# Altium PCB BB.PcbDoc (part 2 of 5) (continued)
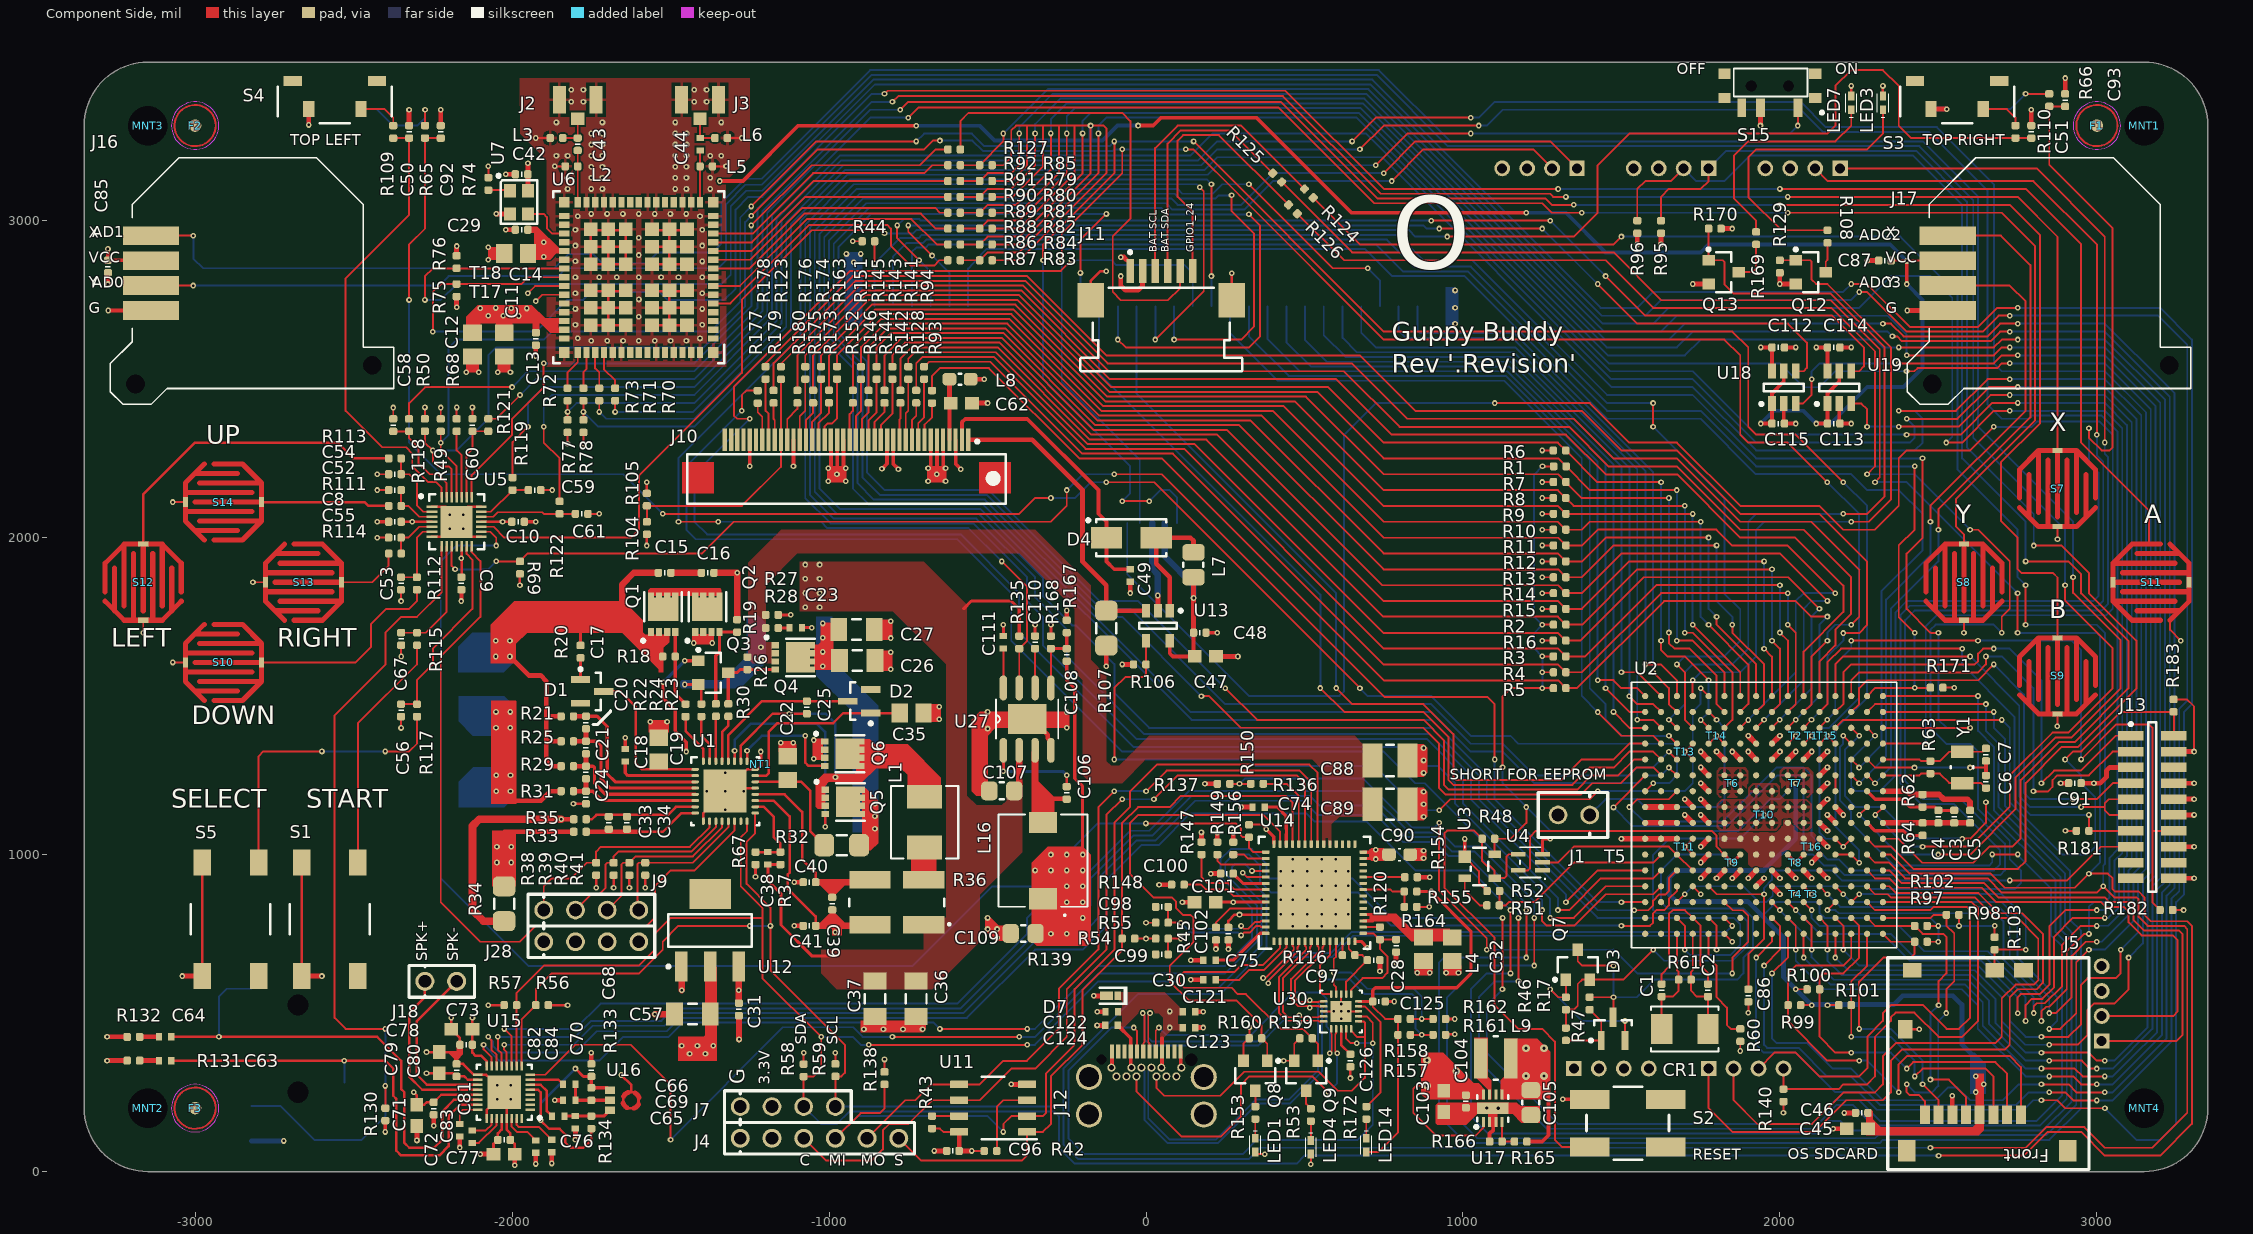
[diagram p0: Component Side view]
## Part data (continued)
L1: "2.2µH Shielded Molded Inductor 5A 37.7 mOhm Max", DC Resistance (DCR)="37.7 mOhm Max", Manufacturer="Vishay Dale", Manufacturer Part Number=IHLP2020BZER2R2M11, Operating Temperature="-55°C ~ 125°C", Package / Case=Nonstandard, Q @ Freq=-, Supplier Part Number 1=541-1220-1-ND, Tolerance=±20%, Category="Inductors, Coils, Chokes", ComponentLink1Description=http://www.vishay.com/docs/34261/ihlp2020bz11.pdf, ComponentLink1URL=http://www.vishay.com/docs/34261/ihlp2020bz11.pdf, Height - Seated (Max)="0.079\" (2.00mm)", Material - Core=-, Mounting Type="Surface Mount", Packaging="Cut Tape (CT)", Part Status=Active, Pricing 1="1=2.39, 10=2.208, 100=1.5456, 500=1.2512, 1000=1.1408 (USD)", Ratings=-, RoHS="RoHS Compliant", Shielding=Shielded, Size / Dimension="0.216\" L x 0.204\" W (5.49mm x 5.18mm)", Stock 1=9448, Supplier 1=Digi-Key, Supplier Device Package=-, Type=Molded
L2 L3: "FIXED IND 1.3NH 1A 90 MOHM", Case/Package=0402, Case Code (Metric)=1005, Current=300mA, DC Resistance (DCR)=90mR, Inductance=1.3nh, Manufacturer 1=Murata, Manufacturer Part Number 1=LQG15HS1N3S02D, Max Operating Temperature=125°C, Min Operating Temperature=-55°C, Package Quantity=10000, Self Resonant Frequency=6GHz, Supplier Part Number 1=490-6568-6-ND, Test Frequency=100MHz, Tolerance=5%, Case Code (Imperial)=0402, ComponentLink1Description=http://search.murata.co.jp/Ceramy/image/img/PDF/ENG/L0075S0084LQP15M.pdf, ComponentLink1URL=http://search.murata.co.jp/Ceramy/image/img/PDF/ENG/L0075S0084LQP15M.pdf, ComponentLink2Description=https://datasheet.ciiva.com/8510/l0075s0083lqg15hs-8510837.pdf, ComponentLink2URL=https://datasheet.ciiva.com/8510/l0075s0083lqg15hs-8510837.pdf, ComponentLink3Description=https://datasheet.ciiva.com/4977/o05e-4977799.pdf, ComponentLink3URL=https://datasheet.ciiva.com/4977/o05e-4977799.pdf, ComponentLink4Description=https://datasheet.ciiva.com/6690/l0075s0083lqg15hs-6690759.pdf, ComponentLink4URL=https://datasheet.ciiva.com/6690/l0075s0083lqg15hs-6690759.pdf, ComponentLink5Description=https://datasheet.ciiva.com/6690/l0075s0083lqg15hs-6690762.pdf, ComponentLink5URL=https://datasheet.ciiva.com/6690/l0075s0083lqg15hs-6690762.pdf, ComponentLink6Description=https://datasheet.ciiva.com/6690/l0075s0083lqg15hs-6690763.pdf, ComponentLink6URL=https://datasheet.ciiva.com/6690/l0075s0083lqg15hs-6690763.pdf, ComponentLink7Description=https://datasheet.ciiva.com/11801/0900766b80f10809-11801404.pdf, ComponentLink7URL=https://datasheet.ciiva.com/11801/0900766b80f10809-11801404.pdf, ComponentLink8Description=https://datasheet.ciiva.com/17247/l0075s0083lqg15hs-17247117.pdf, ComponentLink8URL=https://datasheet.ciiva.com/17247/l0075s0083lqg15hs-17247117.pdf, ComponentLink9Description=https://datasheet.ciiva.com/17279/l0075s0083lqg15hs-17279241.pdf, ComponentLink9URL=https://datasheet.ciiva.com/17279/l0075s0083lqg15hs-17279241.pdf, ComponentLink10Description=https://datasheet.ciiva.com/6705/l0075s0083lqg15hs-6705242.pdf, ComponentLink10URL=https://datasheet.ciiva.com/6705/l0075s0083lqg15hs-6705242.pdf, ComponentLink11Description=https://datasheet.ciiva.com/6705/l0075s0083lqg15hs-6705243.pdf, ComponentLink11URL=https://datasheet.ciiva.com/6705/l0075s0083lqg15hs-6705243.pdf, ComponentLink12Description=https://datasheet.ciiva.com/6705/l0075s0083lqg15hs-6705244.pdf, ComponentLink12URL=https://datasheet.ciiva.com/6705/l0075s0083lqg15hs-6705244.pdf, ComponentLink13Description=https://datasheet.ciiva.com/11801/0900766b8090d53b-11801407.pdf, ComponentLink13URL=https://datasheet.ciiva.com/11801/0900766b8090d53b-11801407.pdf, Core Material=Air, Current Rating=300mA, DC Current=300mA, Depth=0.55mm, Description 1="Inductor RF Chip Multi-Layer 1.3nH 0.3nH 100MHz 8Q-Factor Air 300mA 90mOhm DCR 0402 Paper T/R", Height=0.5mm, Height - Seated (Max)=0.022inch, Length=1mm, Max DC Current=300mA, Military Standard=Not, Mount="Surface Mount", Packaging="Tape and Reel", Pricing 1="1=0.1, 10=0.061, 100=0.0404, 500=0.03366, 1000=0.02827, 2500=0.02423 (USD)", Q Factor=8, Radiation Hardening=No, Shielding=Unshielded, Stock 1=37779, Supplier 1=Digi-Key, Termination=SMD/SMT, Width=0.5mm
L4: "FERRITE BEAD 21 OHM 0805 1LN", Case/Package=0805, Case Code (Metric)=2012, Current Rating=6A, DC Resistance (DCR)=4mR, Frequency=100MHz, Impedance @ Frequency="21 Ohm @ 100MHz", Manufacturer="Taiyo Yuden", Manufacturer Part Number=FBMJ2125HM210NT, Max Operating Temperature=125°C, Min Operating Temperature=-40°C, Package Quantity=1, Supplier Part Number 1=587-1765-6-ND, Tolerance=30%, Case Code (Imperial)=0805, ComponentLink1Description=https://datasheet.ciiva.com/6212/fbmj2125hm210nt-ss-6212912.pdf, ComponentLink1URL=https://datasheet.ciiva.com/6212/fbmj2125hm210nt-ss-6212912.pdf, ComponentLink2Description=https://datasheet.ciiva.com/6212/chipbeads01-e-6212907.pdf, ComponentLink2URL=https://datasheet.ciiva.com/6212/chipbeads01-e-6212907.pdf, ComponentLink3Description=https://datasheet.ciiva.com/25614/0900766b810b37be-25614411.pdf, ComponentLink3URL=https://datasheet.ciiva.com/25614/0900766b810b37be-25614411.pdf, ComponentLink4Description=https://datasheet.ciiva.com/6212/chipbeads01-e-6212908.pdf, ComponentLink4URL=https://datasheet.ciiva.com/6212/chipbeads01-e-6212908.pdf, Core Material=Ferrite, Depth=1.45mm, Halogen Free="Halogen Free", Height=0.041inch, Impedance=21R, Lead Free="Lead Free", Length=0.079inch, Material=Ferrite, Max Current Rating=6A, Max DC Current=6A, Number of Lines=1, Number of Pins=2, Package / Case=0805, Packaging="Tape and Reel", Pricing 1="1=0.12, 10=0.099, 25=0.0772, 50=0.0638, 100=0.055, 250=0.044, 500=0.0396, 1000=0.033 (USD)", REACH SVHC=Unknown, Shielding=Unshielded, Stock 1=12560, Supplier 1=Digikey, Termination=SMD/SMT, Test Frequency=100MHz, Width=0.049inch
L5: "FIXED IND 2.2NH 950MA 150 MOHM", Case/Package=0402, Case Code (Metric)=1005, Current Rating=300mA, DC Resistance (DCR)=150mR, Inductance=2.2nh, Manufacturer 1=Murata, Manufacturer Part Number 1=LQG15HN2N2S02D, Max Operating Temperature=125°C, Min Operating Temperature=-55°C, Package Quantity=10000, Self Resonant Frequency=6GHz, Supplier Part Number 1=490-1077-6-ND, Test Frequency=100MHz, Case Code (Imperial)=0402, ComponentLink1Description=http://search.murata.co.jp/Ceramy/image/img/PDF/ENG/L0075S0084LQP15M.pdf, ComponentLink1URL=http://search.murata.co.jp/Ceramy/image/img/PDF/ENG/L0075S0084LQP15M.pdf, ComponentLink2Description=https://datasheet.ciiva.com/8510/l0075s0083lqg15hs-8510837.pdf, ComponentLink2URL=https://datasheet.ciiva.com/8510/l0075s0083lqg15hs-8510837.pdf, ComponentLink3Description=https://datasheet.ciiva.com/4977/o05e-4977799.pdf, ComponentLink3URL=https://datasheet.ciiva.com/4977/o05e-4977799.pdf, ComponentLink4Description=https://datasheet.ciiva.com/6690/l0075s0083lqg15hs-6690759.pdf, ComponentLink4URL=https://datasheet.ciiva.com/6690/l0075s0083lqg15hs-6690759.pdf, ComponentLink5Description=https://datasheet.ciiva.com/6690/l0075s0083lqg15hs-6690762.pdf, ComponentLink5URL=https://datasheet.ciiva.com/6690/l0075s0083lqg15hs-6690762.pdf, ComponentLink6Description=https://datasheet.ciiva.com/6690/l0075s0083lqg15hs-6690763.pdf, ComponentLink6URL=https://datasheet.ciiva.com/6690/l0075s0083lqg15hs-6690763.pdf, ComponentLink7Description=https://datasheet.ciiva.com/11801/0900766b80f10809-11801404.pdf, ComponentLink7URL=https://datasheet.ciiva.com/11801/0900766b80f10809-11801404.pdf, ComponentLink8Description=https://datasheet.ciiva.com/17247/l0075s0083lqg15hs-17247117.pdf, ComponentLink8URL=https://datasheet.ciiva.com/17247/l0075s0083lqg15hs-17247117.pdf, ComponentLink9Description=https://datasheet.ciiva.com/1063/l0075s0083lqg15hn-1063840.pdf, ComponentLink9URL=https://datasheet.ciiva.com/1063/l0075s0083lqg15hn-1063840.pdf, ComponentLink10Description=https://datasheet.ciiva.com/11801/0900766b80f10808-11801393.pdf, ComponentLink10URL=https://datasheet.ciiva.com/11801/0900766b80f10808-11801393.pdf, ComponentLink11Description=https://datasheet.ciiva.com/8002/66026-8002501.pdf, ComponentLink11URL=https://datasheet.ciiva.com/8002/66026-8002501.pdf, ComponentLink12Description=https://datasheet.ciiva.com/17247/l0075s0083lqg15hn-17247093.pdf, ComponentLink12URL=https://datasheet.ciiva.com/17247/l0075s0083lqg15hn-17247093.pdf, ComponentLink13Description=https://datasheet.ciiva.com/18090/getdatasheetpartid-210549-18090181.pdf, ComponentLink13URL=https://datasheet.ciiva.com/18090/getdatasheetpartid-210549-18090181.pdf, ComponentLink14Description=https://datasheet.ciiva.com/8510/l0075s0083lqg15hn-8510908.pdf, ComponentLink14URL=https://datasheet.ciiva.com/8510/l0075s0083lqg15hn-8510908.pdf, ComponentLink15Description=https://datasheet.ciiva.com/5740/66026-5740734.pdf, ComponentLink15URL=https://datasheet.ciiva.com/5740/66026-5740734.pdf, Core Material=Air, DC Current=300mA, Depth=0.55mm, Description 1="FIXED IND 2.2NH 300MA 150 MOHM", Height=0.02inch, Height - Seated (Max)=0.022inch, Lead Free="Lead Free", Length=1mm, Max DC Current=300mA, Military Standard=Not, Mount="Surface Mount", Number of Pins=2, Packaging="Tape and Reel", Pricing 1="1=0.1, 10=0.061, 100=0.0404, 500=0.03366, 1000=0.02827, 2500=0.02423 (USD)", Q Factor=8, Radiation Hardening=No, REACH SVHC="No SVHC", Shielding=Unshielded, Stock 1=13661, Supplier 1=Digi-Key, Termination=SMD/SMT, Width=0.02inch
L6: "FIXED IND 1.8NH 950MA 100 MOHM", Case/Package=0402, Case Code (Metric)=1005, Current Rating=300mA, DC Resistance (DCR)=100mR, Inductance=1.8nh, Manufacturer 1=Murata, Manufacturer Part Number 1=LQG15HS1N8S02D, Max Operating Temperature=125°C, Min Operating Temperature=-55°C, Package Quantity=1, Self Resonant Frequency=6GHz, Supplier Part Number 1=490-2613-6-ND, Test Frequency=100MHz, Case Code (Imperial)=0402, ComponentLink1Description=http://search.murata.co.jp/Ceramy/image/img/PDF/ENG/L0075S0084LQP15M.pdf, ComponentLink1URL=http://search.murata.co.jp/Ceramy/image/img/PDF/ENG/L0075S0084LQP15M.pdf, ComponentLink2Description=https://datasheet.ciiva.com/8510/l0075s0083lqg15hs-8510837.pdf, ComponentLink2URL=https://datasheet.ciiva.com/8510/l0075s0083lqg15hs-8510837.pdf, ComponentLink3Description=https://datasheet.ciiva.com/4977/o05e-4977799.pdf, ComponentLink3URL=https://datasheet.ciiva.com/4977/o05e-4977799.pdf, ComponentLink4Description=https://datasheet.ciiva.com/6690/l0075s0083lqg15hs-6690759.pdf, ComponentLink4URL=https://datasheet.ciiva.com/6690/l0075s0083lqg15hs-6690759.pdf, ComponentLink5Description=https://datasheet.ciiva.com/6690/l0075s0083lqg15hs-6690762.pdf, ComponentLink5URL=https://datasheet.ciiva.com/6690/l0075s0083lqg15hs-6690762.pdf, ComponentLink6Description=https://datasheet.ciiva.com/6690/l0075s0083lqg15hs-6690763.pdf, ComponentLink6URL=https://datasheet.ciiva.com/6690/l0075s0083lqg15hs-6690763.pdf, ComponentLink7Description=https://datasheet.ciiva.com/11801/0900766b80f10809-11801404.pdf, ComponentLink7URL=https://datasheet.ciiva.com/11801/0900766b80f10809-11801404.pdf, ComponentLink8Description=https://datasheet.ciiva.com/17247/l0075s0083lqg15hs-17247117.pdf, ComponentLink8URL=https://datasheet.ciiva.com/17247/l0075s0083lqg15hs-17247117.pdf, Core Material=Air, DC Current=300mA, Depth=0.55mm, Description 1="Inductor RF Chip Multi-Layer 1.8nH 0.3nH 100MHz 8Q-Factor Air 300mA 100mOhm DCR 0402 Paper T/R", Height=0.5mm, Height - Seated (Max)=0.022inch, Lead Free="Lead Free", Length=0.039inch, Max DC Current=300mA, Military Standard=Not, Mount="Surface Mount", Packaging="Tape and Reel", Pricing 1="1=0.1, 10=0.056, 100=0.0376, 500=0.03136, 1000=0.02633, 2500=0.02257 (USD)", Q Factor=8, Radiation Hardening=No, Shielding=Unshielded, Stock 1=67587, Supplier 1=Digi-Key, Termination=SMD/SMT, Width=0.02inch
L7: library part L_0806_22uH, "INDUCTOR 22UH 10% 0806 SMD", Current=240mA, Current - Saturation=250mA, DC Resistance (DCR)="1.8 Ohm", Frequency - Self Resonant=16MHz, Frequency - Test=2.52MHz, Inductance=22µH, Manufacturer="Taiyo Yuden", Operating Temperature="-40°C ~ 105°C", Package / Case=0806, Q @ Freq=-, Supplier Device Package="0806 (2016 Metric)", Supplier Part Number 1=587-3048-1-ND, Tolerance=±10%, Category="Inductors, Coils, Chokes", ComponentLink1Description=http://www.yuden.co.jp/ut/product/category/inductor/CBC2016T220K.pdf, ComponentLink1URL=http://www.yuden.co.jp/ut/product/category/inductor/CBC2016T220K.pdf, Current Rating=240mA, Height - Seated (Max)="0.071\" (1.80mm)", Manufacturer Part Number=CBC2016T220K, Material - Core=-, Mounting Type="Surface Mount", Packaging="Cut Tape (CT)", Pricing="1=0.2, 10=0.192, 50=0.18, 100=0.168, 500=0.132, 1000=0.108 (USD)", RoHS="RoHS Compliant", Shielding=Unshielded, Size / Dimension="0.079\" L x 0.063\"W (2.00mm x 1.60mm)", Stock 1=3275, Supplier 1=Digi-Key, Type=Wirewound
L8: "FERRITE BEAD 30 OHM 0603", Current Rating (Max)=5A, DC Resistance (DCR) (Max)="10 mOhm", Impedance @ Frequency="30 Ohm @ 100MHz", Manufacturer="TDK Corporation", Manufacturer Part Number=MPZ1608S300ATAH0, Operating Temperature="-55°C ~ 125°C", Package / Case="0603 (1608 Metric)", Ratings=-, Supplier Part Number 1=445-1562-1-ND, Category=Filters, ComponentLink1Description=https://product.tdk.com/info/en/catalog/datasheets/beads_commercial_power_mpz1608_en.pdf, ComponentLink1URL=https://product.tdk.com/info/en/catalog/datasheets/beads_commercial_power_mpz1608_en.pdf, Filter Type="Power Line", Height (Max)="0.030\" (0.75mm)", Mounting Type="Surface Mount", Number of Lines=1, Packaging="Cut Tape (CT)", Pricing 1="1=0.1, 10=0.079, 100=0.0472, 250=0.03432, 500=0.03146, 1000=0.02717 (USD)", RoHS="RoHS Compliant", Size / Dimension="0.063\" L x 0.031\" W (1.60mm x 0.80mm)", Stock 1=25799, Supplier 1=Digi-Key
L9: library part L_1.0UH_2.3A, "FIXED IND 1UH 2.3A 63 MOHM SMD", Case/Package=1212, Current Rating=2.3A, DC Resistance (DCR)=63mR, Inductance=1µH, Inductance Tolerance=30%, Manufacturer 1=Bourns, Manufacturer Part Number 1=SRN3010-1R0Y, Max Operating Temperature=125°C, Min Operating Temperature=-40°C, Package Quantity=2000, Self Resonant Frequency=140MHz, Supplier Part Number 1=SRN3010-1R0YDKR-ND, Test Frequency=100kHz, ComponentLink1Description=http://search.murata.co.jp/Ceramy/image/img/PDF/ENG/L0075S0103LQH3NP_J0.pdf, ComponentLink1URL=http://search.murata.co.jp/Ceramy/image/img/PDF/ENG/L0075S0103LQH3NP_J0.pdf, ComponentLink2Description=https://datasheet.ciiva.com/6689/srn3010-6689206.pdf, ComponentLink2URL=https://datasheet.ciiva.com/6689/srn3010-6689206.pdf, ComponentLink3Description=https://datasheet.ciiva.com/46437/1732050-46437399.pdf, ComponentLink3URL=https://datasheet.ciiva.com/46437/1732050-46437399.pdf, ComponentLink4Description=https://datasheet.ciiva.com/6689/srn3010-6689210.pdf, ComponentLink4URL=https://datasheet.ciiva.com/6689/srn3010-6689210.pdf, ComponentLink5Description=https://datasheet.ciiva.com/36531/2srn3010-36531083.pdf, ComponentLink5URL=https://datasheet.ciiva.com/36531/2srn3010-36531083.pdf, ComponentLink6Description=https://datasheet.ciiva.com/22715/1732050-22715678.pdf, ComponentLink6URL=https://datasheet.ciiva.com/22715/1732050-22715678.pdf, ComponentLink7Description=https://datasheet.ciiva.com/17112/70255650-17112399.pdf, ComponentLink7URL=https://datasheet.ciiva.com/17112/70255650-17112399.pdf, ComponentLink8Description=https://datasheet.ciiva.com/48691/001056391-da-01-en-mag-abg-leist-ind-srn3010-1r0y-1-0uh-smd-48691878.pdf, ComponentLink8URL=https://datasheet.ciiva.com/48691/001056391-da-01-en-mag-abg-leist-ind-srn3010-1r0y-1-0uh-smd-48691878.pdf, Composition=Wirewound, Core Material=Ferrite, DC Current=2.3A, Depth=3.1mm, Description 1="FIXED IND 1UH 2.3A 63 MOHM SMD", Height=1mm, Height - Seated (Max)=0.039inch, Length=3mm, Material=Resin, Max DC Current=2.3A, Military Standard=Not, Mount="Surface Mount", Number of Pins=2, Packaging="Tape and Reel", Pricing 1="1=0.41, 10=0.362, 100=0.2588, 500=0.21736, 1000=0.17595 (USD)", REACH SVHC="No SVHC", RMS Current (Irms)=2.3A, Saturation Current=2.3A, Shielding=Shielded, Stock 1=1692, Supplier 1=Digi-Key, Termination=SMD/SMT, Tolerance=30%, Width=0.118inch
L16: "FIXED IND 15UH 1.9A 95.8 MOHM", Current Rating=5A, DC Resistance (DCR)="21.32 mOhm Max", Inductance=3.3µH, Manufacturer=TDK, Manufacturer Part Number=CLF7045T-3R3N, Operating Temperature="-40°C ~ 150°C", Package / Case=Nonstandard, Q @ Freq=-, Ratings=AEC-Q200, Supplier Part Number 1=445-9554-1-ND, Tolerance=±30%, Category="Inductors, Coils, Chokes", ComponentLink1Description=https://product.tdk.com/info/en/documents/catalog/inductor_automotive_power_clf7045-d_en.pdf, ComponentLink1URL=https://product.tdk.com/info/en/documents/catalog/inductor_automotive_power_clf7045-d_en.pdf, Height - Seated (Max)="0.177\" (4.50mm)", Material - Core=Ferrite, Mounting Type="Surface Mount", Packaging="Cut Tape (CT)", Part Status=Active, Pricing 1="1=1.43, 10=1.332, 100=0.9632, 500=0.73774 (USD)", RoHS="RoHS Compliant", Shielding=Shielded, Size / Dimension="0.283\" L x 0.272\" W (7.20mm x 6.90mm)", Stock 1=4747, Supplier 1=Digi-Key, Type=Wirewound
LED1 LED3 LED7: "LED 1X0.5MM 570NM GN WTR CLR SMD", Color=Green, Current - Test=20mA, Luminous Flux @ Current - Test="126 mlm", Manufacturer="Kingbright Corp", Manufacturer Part Number=APHHS1005CGCK, Millicandela Rating=40mcd, Package / Case=0402, Supplier Part Number 1=754-1101-1-ND, Voltage - Forward (Vf) Typ=2.1V, Category=Optoelectronics, ComponentLink1Description=http://www.us.kingbright.com/images/catalog/SPEC/APHHS1005CGCK.pdf, ComponentLink1URL=http://www.us.kingbright.com/images/catalog/SPEC/APHHS1005CGCK.pdf, Lens Style/Size="Rectangle, 0.8mm x 0.5mm", Lens Type=Clear, Mounting Type="Surface Mount", Packaging="Cut Tape (CT)", Pricing="1=0.24, 10=0.176, 25=0.1412, 100=0.1293, 250=0.11752, 500=0.10576, 1000=0.094 (USD)", RoHS="RoHS Compliant", Stock 1=3400, Supplier 1=Digi-Key, Viewing Angle=120°, Wavelength - Dominant=570nm, Wavelength - Peak=574nm
LED4: "LED 1X0.5MM 590NM YW WTR CLR SMD", Color=Yellow, Current - Test=20mA, Luminous Flux @ Current - Test="377 mlm", Manufacturer="Kingbright Corp", Manufacturer Part Number=APHHS1005SYCK, Millicandela Rating=120mcd, Package / Case=0402, Supplier Part Number 1=754-1105-1-ND, Voltage - Forward (Vf) Typ=2.0V, Category=Optoelectronics, ComponentLink1Description=http://www.us.kingbright.com/images/catalog/SPEC/APHHS1005SYCK.pdf, ComponentLink1URL=http://www.us.kingbright.com/images/catalog/SPEC/APHHS1005SYCK.pdf, Lens Style/Size="Rectangle, 0.8mm x 0.5mm", Lens Type=Clear, Mounting Type="Surface Mount", Packaging="Cut Tape (CT)", Pricing="1=0.26, 10=0.195, 25=0.156, 100=0.143, 250=0.13, 500=0.117, 1000=0.104 (USD)", RoHS="RoHS Compliant", Stock 1=15829, Supplier 1=Digi-Key, Viewing Angle=120°, Wavelength - Dominant=590nm, Wavelength - Peak=590nm
LED14: "LED 1X0.5MM 630NM RD WTR CLR SMD", Color=Red, Current - Test=20mA, Luminous Flux @ Current - Test="471 mlm", Manufacturer="Kingbright Corp", Manufacturer Part Number=APHHS1005SURCK, Millicandela Rating=150mcd, Package / Case=0402, Supplier Part Number 1=754-1104-1-ND, Voltage - Forward (Vf) Typ=1.95V, Category=Optoelectronics, ComponentLink1Description=http://www.us.kingbright.com/images/catalog/SPEC/APHHS1005SURCK.pdf, ComponentLink1URL=http://www.us.kingbright.com/images/catalog/SPEC/APHHS1005SURCK.pdf, Lens Style/Size="Rectangle, 0.8mm x 0.5mm", Lens Type=Clear, Mounting Type="Surface Mount", Packaging="Cut Tape (CT)", Pricing 1="1=0.3, 10=0.221, 25=0.1772, 100=0.1623, 250=0.14752, 500=0.13276, 1000=0.118 (USD)", RoHS="RoHS Compliant", Stock 1=32842, Supplier 1=Digi-Key, Viewing Angle=120°, Wavelength - Dominant=630nm, Wavelength - Peak=650nm
MNT1 MNT2 MNT3 MNT4: library part MNT?
Q1 Q2 Q4 Q5 Q6: library part Q_N-CH_8SON_60A_9.5mOHM, "MOSFET N-CH 25V 60A 8-SON", Current - Continuous Drain (Id) @ 25° C=60A, Drain to Source Voltage (Vdss)=25V, Input Capacitance (Ciss) @ Vds="800pF @ 12.5V", Manufacturer="Texas Instruments", Manufacturer Part Number=CSD16409Q3, Package / Case=8-SON, Power - Max=2.6W, Supplier Part Number 1=296-24253-1-ND, Category="Discrete Semiconductor Products", ComponentLink1Description=http://focus.ti.com/lit/ds/symlink/csd16409q3.pdf, ComponentLink1URL=http://focus.ti.com/lit/ds/symlink/csd16409q3.pdf, FET Feature="Logic Level Gate", FET Type="MOSFET N-Channel, Metal Oxide", Gate Charge (Qg) @ Vgs="5.6nC @ 4.5V", Mounting Type="Surface Mount", Packaging="Cut Tape (CT)", Pricing="1=1.72, 25=1.356, 100=1.2204, 250=1.0622, 500=0.9492, 1000=0.7458 (USD)", RoHS="RoHS Compliant By Exemption", Stock 1=39445, Supplier 1=Digi-Key, Supplier Device Package=8-SON, Vgs(th) (Max) @ Id="2.3V @ 250µA"
  Q1 Q2: Rds On (Max) @ Id, Vgs="8.2 mOhm"
  Q4 Q5 Q6: Rds On (Max) @ Id, Vgs="8.2 mOhm @ 17A, 10V"
Q3: library part Q_NFET_3.50A_SOT23, "MOSFET N-CH 20V 3.5A SOT23-3", Current - Continuous Drain (Id) @ 25° C=3.5A, Drain to Source Voltage (Vdss)=20V, Input Capacitance (Ciss) @ Vds="872pF @ 10V", Manufacturer=Diodes/Zetex, Manufacturer Part Number=ZXMN2B14FHTA, Package / Case=SOT-23-3, Power - Max=1W, Supplier Part Number 1=ZXMN2B14FHCT-ND, Category="Discrete Semiconductor Products", ComponentLink1Description=http://www.diodes.com/datasheets/ZXMN2B14FH.pdf, ComponentLink1URL=http://www.diodes.com/datasheets/ZXMN2B14FH.pdf, FET Feature="Logic Level Gate", FET Type="MOSFET N-Channel, Metal Oxide", Gate Charge (Qg) @ Vgs="11nC @ 4.5V", Mounting Type="Surface Mount", Packaging="Cut Tape (CT)", Pricing="1=0.88, 10=0.764, 100=0.603, 250=0.5226, 500=0.4422, 1000=0.35175 (USD)", Rds On (Max) @ Id, Vgs="55 mOhm @ 3.5A, 4.5V", RoHS="RoHS Compliant", Stock 1=14777, Supplier 1=Digi-Key, Supplier Device Package=SOT-23-3, Vgs(th) (Max) @ Id="1V @ 250µA"
Q7: library part Q_PNP_200MA, "TRANS PNP MED PWR 400V SOT23-3", Current - Collector (Ic) (Max)=200mA, Current - Collector Cutoff (Max)=-, DC Current Gain (hFE) (Min) @ Ic, Vce="100 @ 10mA, 1V", Frequency - Transition=300MHz, Manufacturer="Diodes Inc", Manufacturer Part Number=MMST3906-7-F, Package / Case="SC-70, SOT-323", Power - Max=200mW, Supplier Device Package=SOT-323, Supplier Part Number 1=MMST3906-FDICT-ND, Voltage - Collector Emitter Breakdown (Max)=40V, Category="Discrete Semiconductor Products", ComponentLink1Description=http://www.diodes.com/datasheets/ds30079.pdf, ComponentLink1URL=http://www.diodes.com/datasheets/ds30079.pdf, Mounting Type="Surface Mount", Packaging="Cut Tape (CT)", Pricing="1=0.5, 10=0.34, 100=0.16, 250=0.114, 500=0.087, 1000=0.06 (USD)", RoHS="RoHS Compliant", Stock 1=21496, Supplier 1=Digi-Key, Transistor Type=PNP, Vce Saturation (Max) @ Ib, Ic="300mV @ 5mA, 50mA"
Q8 Q9 Q12 Q13: library part Q_NFET_3.50A_SOT23, "MOSFET N-CH 20V 3.5A SOT23-3", Current - Continuous Drain (Id) @ 25° C=3.5A, Current - Continuous Drain (Id) @ 25°C="3.5A (Ta)", Drain to Source Voltage (Vdss)=20V, Drive Voltage (Max Rds On,  Min Rds On)="1.8V, 4.5V", Input Capacitance (Ciss) (Max) @ Vds="872pF @ 10V", Manufacturer="Diodes Incorporated", Manufacturer Part Number=ZXMN2B14FHTA, Operating Temperature="-55°C ~ 150°C (TJ)", Package / Case=SOT-23-3, Power - Max=1W, Power Dissipation (Max)="1W (Ta)", Supplier Part Number 1=ZXMN2B14FHCT-ND, Category="Discrete Semiconductor Products", ComponentLink1Description=http://www.diodes.com/_files/datasheets/ZXMN2B14FH.pdf, ComponentLink1URL=http://www.diodes.com/_files/datasheets/ZXMN2B14FH.pdf, FET Feature=-, FET Type=N-Channel, Gate Charge (Qg) (Max) @ Vgs="11nC @ 4.5V", Mounting Type="Surface Mount", Packaging="Cut Tape (CT)", Part Status=Active, Pricing 1="1=0.78, 10=0.683, 100=0.5238, 500=0.41406, 1000=0.33125 (USD)", Rds On (Max) @ Id, Vgs="55 mOhm @ 3.5A, 4.5V", RoHS="RoHS Compliant", Stock 1=1379, Supplier 1=Digi-Key, Supplier Device Package=SOT-23-3, Technology="MOSFET (Metal Oxide)", Vgs (Max)=±8V, Vgs(th) (Max) @ Id="1V @ 250µA"
R1 R2 R3 R4 R5 R6 R7 R8 R9 R10 R11 R12 R13 R14 R15 R16 R44 R52 R54 R55 R135 R148: "RES SMD 100K OHM 1% 1/16W 0402", Case=0402, Manufacturer=Yageo, Manufacturer Part Number=RC0402FR-07100KL, Operating Temperature="-55°C ~ 155°C", Package / Case="0402 (1005 Metric)", Power (Watts)=1/16W, Resistance (Ohms)=100k, Resistance In Ohms=100K, Supplier Part Number 1=311-100KLRCT-ND, Temperature Coefficient=±100ppm/°C, Tolerance=±1%, Category=Resistors, ComponentLink1Description=http://www.yageo.com/NewPortal/yageodocoutput?fileName=/pdf/R-Chip/PYu-RC_Group_51_RoHS_L_3.pdf, ComponentLink1URL=http://www.yageo.com/NewPortal/yageodocoutput?fileName=/pdf/R-Chip/PYu-RC_Group_51_RoHS_L_3.pdf, Composition="Thick Film", Features="Moisture Resistant", Height="0.016\" (0.40mm)", Number of Terminations=2, Packaging="Cut Tape (CT)", Pricing 1="1=0.1, 10=0.013, 25=0.0096, 100=0.0054, 250=0.00412, 500=0.00328, 1000=0.00242, 2500=0.0021, 5000=0.00173 (USD)", RoHS="RoHS Compliant", Size / Dimension="0.039\" L x 0.020\" W (1.00mm x 0.50mm)", Stock 1=4989982, Supplier 1=Digi-Key, Supplier Device Package=0402
R17: "RES SMD 39K OHM 1% 1/10W 0402", Case=0402, Manufacturer="Panasonic Electronic Components", Manufacturer Part Number=ERJ-2RKF3902X, Operating Temperature="-55°C ~ 155°C", Package / Case="0402 (1005 Metric)", Power (Watts)=1/16W, Resistance (Ohms)=39k, Resistance In Ohms=39K, Supplier Part Number 1=P39.0KLCT-ND, Temperature Coefficient=±100ppm/°C, Tolerance=±1%, Category=Resistors, ComponentLink1Description=http://industrial.panasonic.com/www-cgi/jvcr13pz.cgi?E+PZ+3+AOA0002+ERJ2RKF3902X+7+WW, ComponentLink1URL=http://industrial.panasonic.com/www-cgi/jvcr13pz.cgi?E+PZ+3+AOA0002+ERJ2RKF3902X+7+WW, Composition="Thick Film", Features="Automotive AEC-Q200", Height="0.016\" (0.40mm)", Number of Terminations=2, Packaging="Cut Tape (CT)", Pricing 1="1=0.1, 50=0.0196, 100=0.0149, 250=0.01104, 500=0.00816, 1000=0.00544, 5000=0.00383 (USD)", RoHS="RoHS Compliant", Size / Dimension="0.039\" L x 0.020\" W (1.00mm x 0.50mm)", Stock 1=304822, Supplier 1=Digi-Key, Supplier Device Package=0402
R18 R19 R26: "RES SMD 10M OHM 1% 1/16W 0402", Case=0402, Manufacturer=Yageo, Manufacturer Part Number=RC0402FR-0710ML, Operating Temperature="-55°C ~ 155°C", Package / Case="0402 (1005 Metric)", Power (Watts)=1/16W, Resistance (Ohms)=10M, Supplier Part Number 1=311-10.0MLRCT-ND, Temperature Coefficient=±100ppm/°C, Tolerance=±1%, Category=Resistors, ComponentLink1Description=http://www.yageo.com/NewPortal/yageodocoutput?fileName=/pdf/R-Chip/PYu-RC_Group_51_RoHS_L_4.pdf, ComponentLink1URL=http://www.yageo.com/NewPortal/yageodocoutput?fileName=/pdf/R-Chip/PYu-RC_Group_51_RoHS_L_4.pdf, Composition="Thick Film", Failure Rate=-, Features="Moisture Resistant", Height - Seated (Max)="0.016\" (0.40mm)", Number of Terminations=2, Packaging="Cut Tape (CT)", Part Status=Active, Pricing 1="1=0.1, 10=0.015, 25=0.0108, 100=0.006, 250=0.00456, 500=0.00364, 1000=0.00268, 2500=0.00233, 5000=0.00192 (USD)", Resistance In Ohms=10M, RoHS="RoHS Compliant", Size / Dimension="0.039\" L x 0.020\" W (1.00mm x 0.50mm)", Stock 1=285948, Supplier 1=Digi-Key, Supplier Device Package=0402
R20: "RES 10.0 OHM 1/16W 1% 0402 SMD", Case=0402, Manufacturer=Yageo, Manufacturer Part Number=RC0402FR-0710RL, Operating Temperature="-55°C ~ 155°C", Package / Case="0402 (1005 Metric)", Power (Watts)=1/16W, Resistance In Ohms=10.0, Supplier Part Number 1=311-10.0LRCT-ND, Temperature Coefficient=±200ppm/°C, Tolerance=±1%, Category=Resistors, ComponentLink1Description=http://www.yageo.com/documents/recent/PYu-RC_Group_51_RoHS_L_7.pdf, ComponentLink1URL=http://www.yageo.com/documents/recent/PYu-RC_Group_51_RoHS_L_7.pdf, Composition="Thick Film", Failure Rate=-, Features="Moisture Resistant", Height - Seated (Max)="0.016\" (0.40mm)", Packaging="Cut Tape (CT)", Part Status=Active, Pricing 1="1=0.1, 10=0.014, 100=0.0056, 1000=0.00253, 2500=0.0022, 5000=0.00181 (USD)", RoHS="RoHS Compliant", Size / Dimension="0.039\" L x 0.020\" W (1.00mm x 0.50mm)", Stock 1=1266033, Supplier 1=Digi-Key, Supplier Device Package=0402
R21 R25 R29 R31: "RES 100 OHM 1/16W 1% 0402 SMD", Case=0402, Manufacturer=Yageo, Manufacturer Part Number=RC0402FR-07100RL, Operating Temperature="-55°C ~ 155°C", Package / Case="0402 (1005 Metric)", Power (Watts)=1/16W, Resistance (Ohms)=100, Supplier Part Number 1=311-100LRCT-ND, Temperature Coefficient=±100ppm/°C, Tolerance=±1%, Category=Resistors, ComponentLink1Description=http://www.yageo.com/documents/recent/PYu-RC_Group_51_RoHS_L_2.pdf, ComponentLink1URL=http://www.yageo.com/documents/recent/PYu-RC_Group_51_RoHS_L_2.pdf, Composition="Thick Film", Features="Moisture Resistant", Height="0.016\" (0.40mm)", Number of Terminations=2, Packaging="Cut Tape (CT)", Pricing 1="1=0.1, 10=0.013, 25=0.0096, 100=0.0054, 250=0.00412, 500=0.00328, 1000=0.00242, 2500=0.0021, 5000=0.00173 (USD)", Resistance In Ohms=100, RoHS="RoHS Compliant", Size / Dimension="0.039\" L x 0.020\" W (1.00mm x 0.50mm)", Stock 1=2051645, Supplier 1=Digi-Key, Supplier Device Package=0402
R22 R23 R30: library part R_0402_5.11K, "RES 5.11K OHM 1/10W 1% 0402 SMD", Case=0402, Manufacturer="Panasonic - ECG", Manufacturer Part Number=ERJ-2RKF5111X, Package / Case="0402 (1005 Metric)", Power (Watts)=1/10W, Resistance (Ohms)=5.11K, Supplier Part Number 1=P5.11KLCT-ND, Temperature Coefficient=±100ppm/°C, Tolerance=±1%, Category=Resistors, ComponentLink1Description=http://industrial.panasonic.com/www-cgi/jvcr13pz.cgi?E+PZ+3+AOA0002+ERJ2RKF5111X+7+WW, ComponentLink1URL=http://industrial.panasonic.com/www-cgi/jvcr13pz.cgi?E+PZ+3+AOA0002+ERJ2RKF5111X+7+WW, Composition="Thick Film", Features=-, Height="0.014\" (0.35mm)", Number of Terminations=2, Packaging="Cut Tape (CT)", Pricing="1=0.06, 50=0.0242, 100=0.0184, 250=0.01364, 500=0.01008, 1000=0.00672, 5000=0.00473 (USD)", Resistance In Ohms=5.11K, RoHS="RoHS Compliant", Size / Dimension="0.039\" L x 0.020\" W (1.00mm x 0.50mm)", Stock 1=491807, Supplier 1=Digi-Key
R24 R47 R48 R60 R65 R79 R80 R81 R82 R83 R84 R85 R97 R98 R99 R100 R101 R102 R103 R104 R105 R106 R109 R130 R140 R149 R150 R155 R156 R164: "RES 10.0K OHM 1/16W 1% 0402 SMD", Case=0402, Manufacturer="Stackpole Electronics Inc", Manufacturer Part Number=RMCF0402FT10K0, Package / Case="0402 (1005 Metric)", Power (Watts)=1/16W, Resistance (Ohms)=10k, Resistance In Ohms=10.0K, Supplier Part Number 1=RMCF0402FT10K0CT-ND, Temperature Coefficient=±100ppm/°C, Tolerance=±1%, Category=Resistors, ComponentLink1Description=http://www.seielect.com/Catalog/SEI-RMCF_RMCP.pdf, ComponentLink1URL=http://www.seielect.com/Catalog/SEI-RMCF_RMCP.pdf, Composition="Thick Film", Features=-, Height="0.016\" (0.40mm)", Number of Terminations=2, Packaging="Cut Tape (CT)", Pricing="1=0.04, 10=0.025, 50=0.0138, 100=0.0105, 250=0.0078, 500=0.00576, 1000=0.00384, 2500=0.00324, 5000=0.0027 (USD)", RoHS="RoHS Compliant", Size / Dimension="0.039\" L x 0.020\" W (1.00mm x 0.50mm)", Stock 1=234525, Supplier 1=Digi-Key
R27 R75 R76 R129 R159 R160 R170: "RES 100K OHM 1/16W 1% 0402 SMD", Case=0402, Manufacturer="Stackpole Electronics Inc", Manufacturer Part Number=RMCF0402FT100K, Package / Case="0402 (1005 Metric)", Power (Watts)=1/16W, Resistance (Ohms)=100k, Resistance In Ohms=100K, Supplier Part Number 1=RMCF0402FT100KCT-ND, Temperature Coefficient=±100ppm/°C, Tolerance=±1%, Category=Resistors, ComponentLink1Description=http://www.seielect.com/Catalog/SEI-RMCF_RMCP.pdf, ComponentLink1URL=http://www.seielect.com/Catalog/SEI-RMCF_RMCP.pdf, Composition="Thick Film", Features=-, Height="0.016\" (0.40mm)", Lead Style="Surface Mount (SMD - SMT)", Number of Terminations=2, Packaging="Cut Tape (CT)", Pricing="1=0.04, 10=0.025, 50=0.0138, 100=0.0105, 250=0.0078, 500=0.00576, 1000=0.00384, 2500=0.00324, 5000=0.0027 (USD)", RoHS="RoHS Compliant", Size / Dimension="0.039\" L x 0.020\" W (1.00mm x 0.50mm)", Stock 1=18746, Supplier 1=Digi-Key, Supplier Device Package=0402
R28: library part R_0402_1.00, "RES 1.00 OHM 1/16W 1% 0402 SMD", Case=0402, Manufacturer=Yageo, Manufacturer Part Number=RC0402FR-071RL, Operating Temperature="-55°C ~ 155°C", Package / Case="0402 (1005 Metric)", Power (Watts)=1/16W, Resistance (Ohms)=1, Resistance In Ohms=1.00, Supplier Part Number 1=311-1.00LRCT-ND, Temperature Coefficient=±200ppm/°C, Tolerance=±1%, Category=Resistors, ComponentLink1Description=http://www.yageo.com/NewPortal/yageodocoutput?fileName=/pdf/R-Chip/PYu-RC_Group_51_RoHS_L_3.pdf, ComponentLink1URL=http://www.yageo.com/NewPortal/yageodocoutput?fileName=/pdf/R-Chip/PYu-RC_Group_51_RoHS_L_3.pdf, Composition="Thick Film", Features="Moisture Resistant", Height="0.016\" (0.40mm)", Number of Terminations=2, Packaging="Cut Tape (CT)", Pricing 1="1=0.1, 10=0.02, 25=0.0144, 100=0.0082, 250=0.00624, 500=0.00498, 1000=0.00367, 2500=0.00319, 5000=0.00263 (USD)", RoHS="RoHS Compliant", Size / Dimension="0.039\" L x 0.020\" W (1.00mm x 0.50mm)", Stock 1=426521, Supplier 1=Digi-Key, Supplier Device Package=0402
R32: "RES SMD 10 OHM 1% 1/4W 1206", Case=1206, Manufacturer=Yageo, Manufacturer Part Number=RC1206FR-0710RL, Operating Temperature="-55°C ~ 155°C", Package / Case="1206 (3216 Metric)", Power (Watts)=1/4W, Resistance (Ohms)=10, Supplier Part Number 1=311-10.0FRCT-ND, Temperature Coefficient=±200ppm/°C, Tolerance=±1%, Category=Resistors, ComponentLink1Description=http://www.yageo.com/NewPortal/yageodocoutput?fileName=/pdf/R-Chip/PYu-RC_Group_51_RoHS_L_4.pdf, ComponentLink1URL=http://www.yageo.com/NewPortal/yageodocoutput?fileName=/pdf/R-Chip/PYu-RC_Group_51_RoHS_L_4.pdf, Composition="Thick Film", Failure Rate=-, Features="Moisture Resistant", Height - Seated (Max)="0.026\" (0.65mm)", Number of Terminations=2, Packaging="Cut Tape (CT)", Part Status=Active, Pricing 1="1=0.1, 10=0.032, 25=0.0232, 100=0.013, 250=0.00992, 500=0.00792, 1000=0.00583, 2500=0.00506 (USD)", Resistance In Ohms=10, RoHS="RoHS Compliant", Size / Dimension="0.122\" L x 0.063\" W (3.10mm x 1.60mm)", Stock 1=1422829, Supplier 1=Digi-Key, Supplier Device Package=1206
R33 R35 R62 R64 R116 R120 R123 R124 R125 R126 R127 R136 R137: library part R_0402_0.00, "RES 0.00 OHM 1/16W 1% 0402 SMD", Case=0402, Manufacturer=Yageo, Manufacturer Part Number=RC0402JR-070RL, Operating Temperature="-55°C ~ 155°C", Package / Case="0402 (1005 Metric)", Power (Watts)=1/16W, Resistance In Ohms=0.00, Supplier Part Number 1=311-0.0JRCT-ND, Temperature Coefficient=-, Tolerance=±1%, Category=Resistors, ComponentLink1Description=http://www.yageo.com/documents/recent/PYu-RC_Group_51_RoHS_L_7.pdf, ComponentLink1URL=http://www.yageo.com/documents/recent/PYu-RC_Group_51_RoHS_L_7.pdf, Composition="Thick Film", Failure Rate=-, Features="Moisture Resistant", Height - Seated (Max)="0.016\" (0.40mm)", Packaging="Cut Tape (CT)", Part Status=Active, Pricing 1="1=0.1, 10=0.01, 25=0.0068, 50=0.0052, 100=0.0038, 250=0.00288, 500=0.0023, 1000=0.0017, 5000=0.00122 (USD)", RoHS="RoHS Compliant", Size / Dimension="0.039\" L x 0.020\" W (1.00mm x 0.50mm)", Stock 1=14041464, Supplier 1=Digi-Key, Supplier Device Package=0402